# Altium PCB NG2092.PcbDoc (part 2 of 5) (continued)
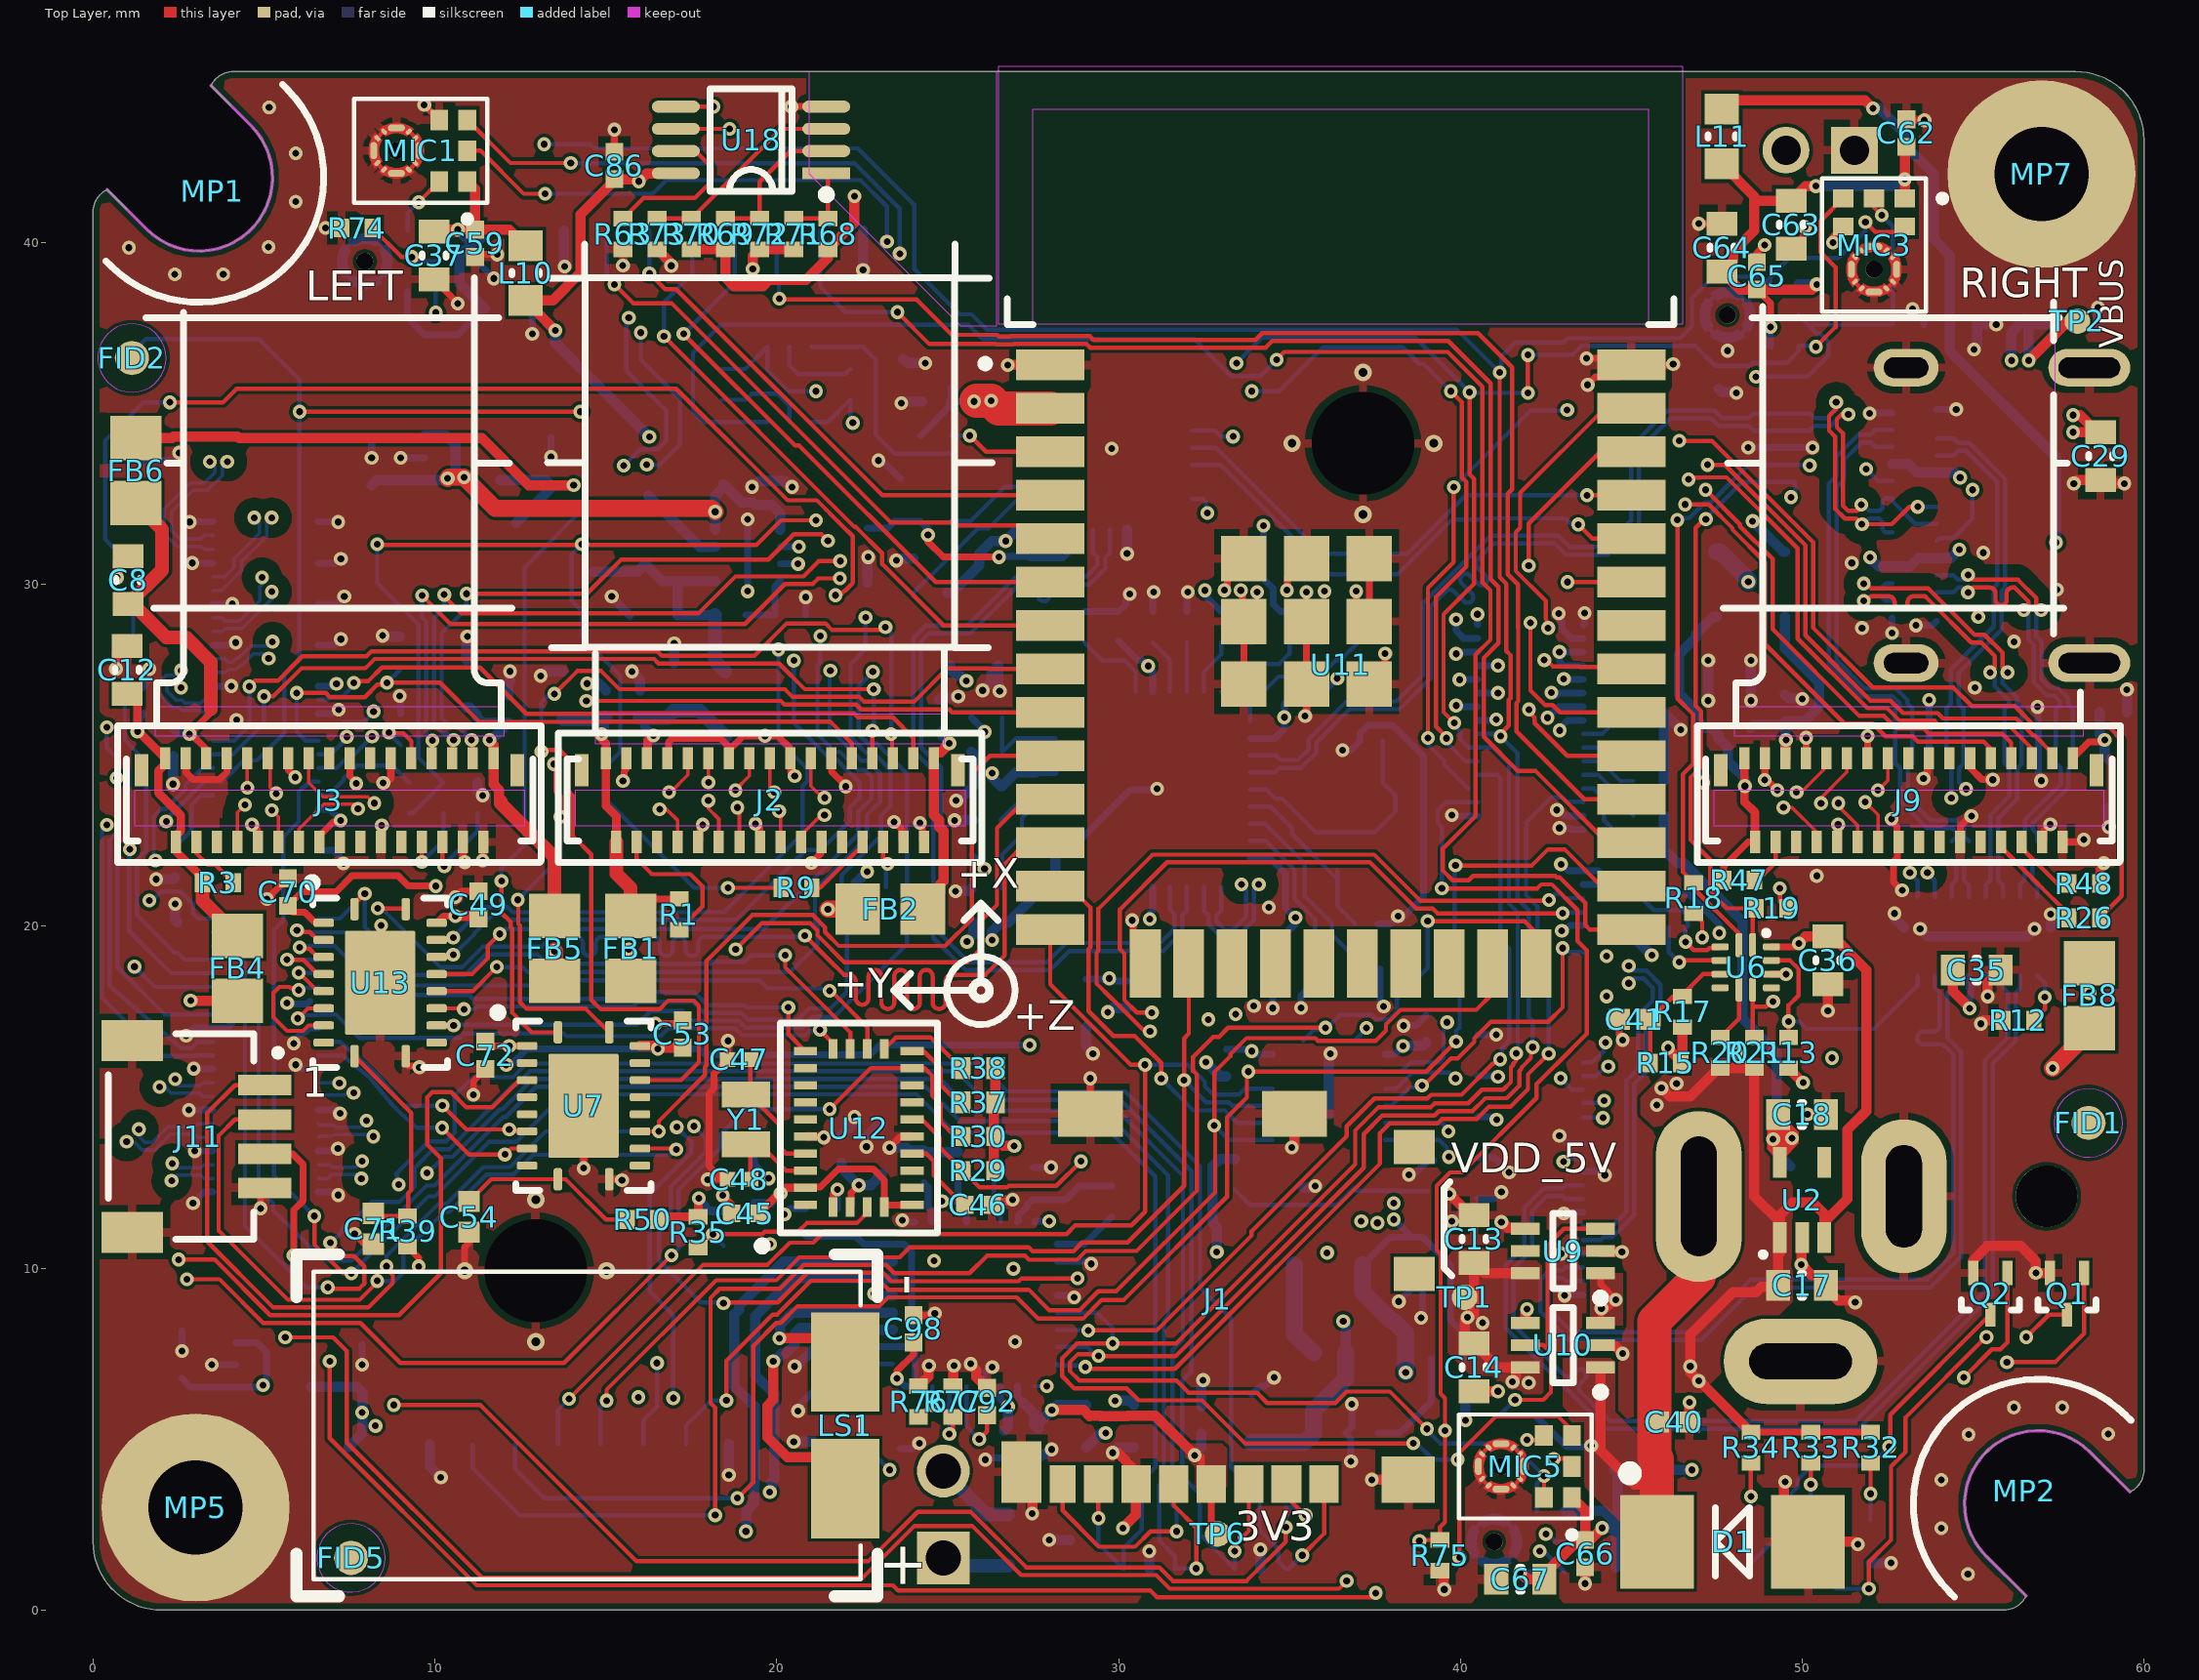
[diagram p0: Top Layer view]
## Part data (continued)
U6: library part TUSB321RWBR, "IC USB PORT CONTROL TYPE-C 12X2Q", Manufacturer 1="Texas Instruments", Max Operating Temperature=70°C, Max Supply Voltage=5.5V, Min Operating Temperature=0°C, Min Supply Voltage=4.5V, Supplier Part Number 1=296-42400-1-ND, ComponentLink1Description=http://www.ti.com/general/docs/lit/getliterature.tsp?genericPartNumber=TUSB321&&fileType=pdf&src-supplier=Avnet+Asia, ComponentLink1URL=http://www.ti.com/general/docs/lit/getliterature.tsp?genericPartNumber=TUSB321&&fileType=pdf&src-supplier=Avnet+Asia, ComponentLink2Description=http://www.ti.com/general/docs/lit/getliterature.tsp?genericPartNumber=TUSB321&&fileType=pdf&src-supplier=Farnell, ComponentLink2URL=http://www.ti.com/general/docs/lit/getliterature.tsp?genericPartNumber=TUSB321&&fileType=pdf&src-supplier=Farnell, ComponentLink3Description=http://www.ti.com/lit/ds/symlink/tusb321.pdf?src-supplier=Digi-Key, ComponentLink3URL=http://www.ti.com/lit/ds/symlink/tusb321.pdf?src-supplier=Digi-Key, ComponentLink4Description=http://www.ti.com/general/docs/lit/getliterature.tsp?genericPartNumber=TUSB321&&fileType=pdf&src-supplier=Element14, ComponentLink4URL=http://www.ti.com/general/docs/lit/getliterature.tsp?genericPartNumber=TUSB321&&fileType=pdf&src-supplier=Element14, ComponentLink5Description=http://www.ti.com/general/docs/lit/getliterature.tsp?genericPartNumber=TUSB321&&fileType=pdf&src-supplier=Avnet, ComponentLink5URL=http://www.ti.com/general/docs/lit/getliterature.tsp?genericPartNumber=TUSB321&&fileType=pdf&src-supplier=Avnet, Contact Plating=Gold, Lead Free="Lead Free", Manufacturer Part Number 1=TUSB321RWBR, Mount="Surface Mount", Number of Pins=12, Number of Ports=1, Packaging="Tape and Reel", Pricing 1="1=2.27000, 10=2.04200, 100=1.64100, 500=1.34828, 1000=1.11714 (USD)", REACH SVHC="No SVHC", RoHS=Yes, Stock 1=7746, Supplier 1=Digi-Key, USB Standard="USB 3.1"
U7 U13 U14: "IC TRNSLTR BIDIRECTIONAL 20VQFN", Case/Package=VQFN, High Level Output Current=-50mA, Low Level Output Current=50mA, Manufacturer 1="Texas Instruments", Max Operating Temperature=85°C, Max Supply Voltage=5.5V, Min Operating Temperature=-40°C, Min Supply Voltage=1.2V, Package Quantity=1, Quiescent Current=3uA, Supplier Part Number 1=296-24806-1-ND, Category="Integrated Circuits (ICs)", ComponentLink1Description=https://datasheet.ciiva.com/15096/getdatasheetpartid-189651-15096225.pdf?src-supplier=Verical, ComponentLink1URL=https://datasheet.ciiva.com/15096/getdatasheetpartid-189651-15096225.pdf?src-supplier=Verical, ComponentLink2Description=https://datasheet.ciiva.com/22659/1718976-22659572.pdf?src-supplier=Element14, ComponentLink2URL=https://datasheet.ciiva.com/22659/1718976-22659572.pdf?src-supplier=Element14, ComponentLink3Description=https://datasheet.ciiva.com/26185/txs0108e-26185177.pdf?src-supplier=Avnet+Europe, ComponentLink3URL=https://datasheet.ciiva.com/26185/txs0108e-26185177.pdf?src-supplier=Avnet+Europe, ComponentLink4Description=https://datasheet.ciiva.com/14287/txs0108e-14287692.pdf?src-supplier=Avnet, ComponentLink4URL=https://datasheet.ciiva.com/14287/txs0108e-14287692.pdf?src-supplier=Avnet, ComponentLink5Description=https://datasheet.ciiva.com/1899/txs0108e-1899610.pdf?src-supplier=Digi-Key, ComponentLink5URL=https://datasheet.ciiva.com/1899/txs0108e-1899610.pdf?src-supplier=Digi-Key, ComponentLink6Description=https://datasheet.ciiva.com/1899/txs0108e-1899611.pdf?src-supplier=Digi-Key, ComponentLink6URL=https://datasheet.ciiva.com/1899/txs0108e-1899611.pdf?src-supplier=Digi-Key, ComponentLink7Description=https://datasheet.ciiva.com/1899/txs0108e-1899612.pdf?src-supplier=Digi-Key, ComponentLink7URL=https://datasheet.ciiva.com/1899/txs0108e-1899612.pdf?src-supplier=Digi-Key, ComponentLink8Description=https://datasheet.ciiva.com/14287/txs0108e-14287533.pdf?src-supplier=Avnet, ComponentLink8URL=https://datasheet.ciiva.com/14287/txs0108e-14287533.pdf?src-supplier=Avnet, ComponentLink9Description=https://datasheet.ciiva.com/48701/001073880-da-01-en-ic-xlatr-volt-lv-txs0108ergyr-qfn-20-tid-48701964.pdf?src-supplier=Conrad, ComponentLink9URL=https://datasheet.ciiva.com/48701/001073880-da-01-en-ic-xlatr-volt-lv-txs0108ergyr-qfn-20-tid-48701964.pdf?src-supplier=Conrad, Data Rate=60Mbps, Lead Free="Lead Free", Logic Function=Translator, Manufacturer Part Number 1=TXS0108ERGYR, Mount="Surface Mount", Number of Bits=8, Number of Channels=8, Number of Inputs=8, Number of Pins=20, Output Type=Voltage, Packaging="Tape and Reel", Pricing 1="1=1.42000, 10=1.26600, 25=1.20120, 100=0.98670, 250=0.92236, 500=0.81510, 1000=0.64350 (USD)", Propagation Delay=4.8ns, Radiation Hardening=No, REACH SVHC="No SVHC", RoHS=Yes, Stock 1=122729, Supplier 1=Digi-Key, Supplier 2=Digi-Key, Supplier 3=Arrow, Supplier 4="TI store", Supplier 5=Mouser, Supplier Part Number 2=296-24806-2-ND, Supplier Part Number 3=TXS0108ERGYR, Supplier Part Number 4=TXS0108ERGYR, Supplier Part Number 5=595-TXS0108ERGYR, Turn-On Delay Time=312ns, Weight=0.001517oz
U8: "IC REG LINEAR 1.2V 200MA SC70-5", Case/Package=SC, Dropout Voltage=175mV, Manufacturer 1="Texas Instruments", Manufacturer Part Number 1=TLV70012DCKR, Manufacturer Part Number 2=TLV70012DCKT, Max Input Voltage=5.5V, Max Operating Temperature=125°C, Max Output Current=200mA, Max Output Voltage=1.2V, Max Power Dissipation=320mW, Min Current Limit=220mA, Min Input Voltage=2V, Min Operating Temperature=-40°C, Output Voltage Accuracy=2%, Package Quantity=1, Quiescent Current=30uA, Supplier Part Number 1=296-27438-1-ND, Accuracy=2%, ComponentLink1Description=https://datasheet.ciiva.com/26909/tlv70012dckr-26909420.pdf?src-supplier=IIIC, ComponentLink1URL=https://datasheet.ciiva.com/26909/tlv70012dckr-26909420.pdf?src-supplier=IIIC, ComponentLink2Description=https://datasheet.ciiva.com/46448/1836520-46448747.pdf?src-supplier=Element14, ComponentLink2URL=https://datasheet.ciiva.com/46448/1836520-46448747.pdf?src-supplier=Element14, ComponentLink3Description=http://components.arrow.com/part/dataview/48874348S9524109N7713?src-supplier=Arrow, ComponentLink3URL=http://components.arrow.com/part/dataview/48874348S9524109N7713?src-supplier=Arrow, ComponentLink4Description=http://components.arrow.com/part/dataview/0323_02210905?src-supplier=Arrow+Europe, ComponentLink4URL=http://components.arrow.com/part/dataview/0323_02210905?src-supplier=Arrow+Europe, ComponentLink5Description=http://www.ti.com/general/docs/lit/getliterature.tsp?genericPartNumber=TLV700&&fileType=pdf&src-supplier=Avnet, ComponentLink5URL=http://www.ti.com/general/docs/lit/getliterature.tsp?genericPartNumber=TLV700&&fileType=pdf&src-supplier=Avnet, ComponentLink6Description=http://focus.ti.com/lit/ds/symlink/tlv70033.pdf?src-supplier=Avnet, ComponentLink6URL=http://focus.ti.com/lit/ds/symlink/tlv70033.pdf?src-supplier=Avnet, ComponentLink7Description=http://www.ti.com/lit/ds/slvsa00e/slvsa00e.pdf?src-supplier=Digi-Key, ComponentLink7URL=http://www.ti.com/lit/ds/slvsa00e/slvsa00e.pdf?src-supplier=Digi-Key, ComponentLink8Description=http://www.ti.com/litv/slvsa00d?src-supplier=Mouser, ComponentLink8URL=http://www.ti.com/litv/slvsa00d?src-supplier=Mouser, Contact Plating=Gold, Lead Free="Lead Free", Manufacturer 2="Texas Instruments", Min Output Voltage=1.2V, Nominal Output Voltage=1.2V, Number of Outputs=1, Number of Pins=5, Number of Regulators=1, Output Current=200mA, Output Type=Fixed, Output Voltage=1.2V, Packaging="Tape and Reel", Polarity=Positive, Power Dissipation=320mW, Pricing 1="1=0.48000, 10=0.40900, 100=0.30570, 500=0.24020, 1000=0.18561 (USD)", Pricing 2="1=0.43000, 10=0.38000, 25=0.35000, 100=0.30000, 250=0.27000, 500=0.21000, 750=0.16000, 1000=0.14000 (USD)", Radiation Hardening=No, REACH SVHC="No SVHC", RoHS=Yes, Stock 1=8389, Stock 2=250, Supplier 1=Digi-Key, Supplier 2="TI store", Supplier Part Number 2=TLV70012DCKT
U9 U10: library part LM66100DCKR, "IC OR CTRLR IDEAL DIODE SC70-6", Manufacturer 1="Texas Instruments", Supplier Part Number 1=296-53541-1-ND, Category="Integrated Circuits (ICs)", Manufacturer Part Number 1=LM66100DCKR, Pricing 1="1=0.41000, 10=0.32900, 25=0.30120, 100=0.20300, 250=0.16800, 500=0.15400, 1000=0.11550 (USD)", RoHS=No, Stock 1=8042, Supplier 1=Digi-Key, Supplier 2=Digi-Key, Supplier 3=Mouser, Supplier 4=Arrow, Supplier Part Number 2=296-53541-2-ND, Supplier Part Number 3=595-LM66100DCKR, Supplier Part Number 4=LM66100DCKR
U11: library part ESP32-WROOM-32D, "ESP32-WROOM-32D MODULE: Wi-Fi/BT BLE, ESP32-D0WD, SPI Flash, UART, P", Case/Package=SMD/SMT, Frequency=2.5GHz, Manufacturer 1="Espressif Systems", Max Operating Temperature=85°C, Min Operating Temperature=-40°C, Supplier Part Number 1=1904-1023-1-ND, Category="RF Receivers, Transceivers", ComponentLink1Description=https://www.espressif.com/sites/default/files/documentation/esp32-wroom-32d_esp32-wroom-32u_datasheet_en.pdf?src-supplier=Digi-Key, ComponentLink1URL=https://www.espressif.com/sites/default/files/documentation/esp32-wroom-32d_esp32-wroom-32u_datasheet_en.pdf?src-supplier=Digi-Key, Data Rate=150Mbps, Interface=I2C,SPI,GPIO,PWM,SDIO,UART, Manufacturer Part Number 1=ESP32-WROOM-32D, Memory Size=536KB, Mount="Surface Mount", Packaging="Cut Tape", Pricing 1="1=3.80000 (USD)", RoHS=Yes, Sensitivity=-98dBm, Stock 1=2394, Supplier 1=Digi-Key, Supplier 2=Mouser, Supplier 3=Arrow, Supplier Part Number 2=356-ESP32WROOM-32D, Supplier Part Number 3=ESP32-WROOM-32D
U12: "IMU ACCEL/GYRO/MAG I2C 32BIT", Case/Package=LGA, Manufacturer 1="Hillcrest Laboratories", Max Operating Temperature=85°C, Min Operating Temperature=-40°C, Supplier Part Number 1=1888-1006-1-ND, Category="Inertial Measurement Units (IMUs)", ComponentLink1Description=https://www.hillcrestlabs.com/downloads/bno080-datasheet?src-supplier=Digi-Key, ComponentLink1URL=https://www.hillcrestlabs.com/downloads/bno080-datasheet?src-supplier=Digi-Key, ComponentLink2Description=https://www.hillcrestlabs.com/downloads/bno080-migration-guide?src-supplier=Digi-Key, ComponentLink2URL=https://www.hillcrestlabs.com/downloads/bno080-migration-guide?src-supplier=Digi-Key, Manufacturer Part Number 1=BNO085, Mount="Surface Mount", Output Type=SPI,I2C, Packaging="Tape and Reel", Pricing 1="1=11.85000, 5=10.31200, 10=9.28100, 25=8.25000, 50=7.63120, 100=6.60000, 500=6.18750, 1000=5.77500 (USD)", RoHS=No, Sensor Type=Accelerometer,Gyroscope,Magnetometer, Stock 1=11593, Supplier 1=Digi-Key
U15: "IC USB TO UART BRIDGE QFN28", Manufacturer 1="Silicon Labs", Supplier Part Number 1=336-5890-1-ND, Manufacturer Part Number 1=CP2102N-A02-GQFN28R, Pricing 1="1=1.40000, 25=1.35160, 100=1.29950 (USD)", RoHS=Yes, Stock 1=3731, Supplier 1=Digi-Key, Supplier 2=Digi-Key, Supplier 3=Mouser, Supplier 4=Verical, Supplier Part Number 2=336-5890-2-ND, Supplier Part Number 3=634-CP2102NA02QFN28R, Supplier Part Number 4=CP2102N-A02-GQFN28R
U16: "IC USB 2.0 2PORT HUB CTLR 36QFN", Manufacturer 1=Microchip, Supplier Part Number 1=8251127, Category="USB Interface ICs", ComponentLink1Description=https://datasheet.ciiva.com/16366/usb2512bi-aezg-16366528.pdf?src-supplier=Future+Electronics, ComponentLink1URL=https://datasheet.ciiva.com/16366/usb2512bi-aezg-16366528.pdf?src-supplier=Future+Electronics, ComponentLink2Description=https://datasheet.ciiva.com/23943/1754405-23943458.pdf?src-supplier=Newark, ComponentLink2URL=https://datasheet.ciiva.com/23943/1754405-23943458.pdf?src-supplier=Newark, ComponentLink3Description=https://datasheet.ciiva.com/14820/251xb1-14820225.pdf?src-supplier=Arrow+Electronics, ComponentLink3URL=https://datasheet.ciiva.com/14820/251xb1-14820225.pdf?src-supplier=Arrow+Electronics, ComponentLink4Description=https://datasheet.ciiva.com/26344/651861-da-01-en-usb-ctlr-usb2512bi-aezg-qfn-36-6x6-mcp-26344422.pdf?src-supplier=Conrad, ComponentLink4URL=https://datasheet.ciiva.com/26344/651861-da-01-en-usb-ctlr-usb2512bi-aezg-qfn-36-6x6-mcp-26344422.pdf?src-supplier=Conrad, Manufacturer Part Number 1=USB2512BI-AEZG, Pricing 1="5=2,82800, 25=2,74400, 100=2,64300 (USD)", RoHS=Yes, Stock 1=1, Supplier 1=RSComponents
U17: "I2S Input, 2.5W/Channel, Low EMI, Stereo, Class D Audio Sub-System with Ground Referenced Headphone Amplifier, 3D Enhancement, and Headphone Sense, 32-pin LLP, Pb-Free", Manufacturer 1="Texas Instruments", PackageTopMarking=NS*UZXYTT*L49450, PowerWise=N, Supplier Part Number 1=LM49450SQ/NOPBCT-ND, ComponentLink1Description="Datasheet URL", ComponentLink1URL=http://www.ti.com/general/docs/lit/getliterature.tsp?genericPartNumber=LM49450&fileType=pdf, CompType="Audio IC", Manufacturer Part Number 1=LM49450SQ/NOPB, PackageDescription="LLP, Quad, 5 x 5 x 0.8mm, 32 Lead, 0.5mm Pitch, No Pullback 3.1 x 3.1 Exposed Pad", PackageReference=RTV0032A, PinCount=32, RoHS=Y, Supplier 1=Digi-Key
U18: library part 24AA32A-I/MS, "IC EEPROM 32K I2C 400KHZ 8MSOP Memory IC 32Kb (4K x 8) I²C 400kHz 900ns 8-MSOP", Case/Package=MSOP, Frequency=400kHz, Manufacturer 1=Microchip, Max Operating Temperature=85°C, Max Supply Voltage=5.5V, Min Operating Temperature=-40°C, Min Supply Voltage=1.7V, Nominal Supply Current=3mA, Package Quantity=100, Supplier Part Number 1=24AA32A-I/MS-ND, Access Time=3500ns, ComponentLink1Description=https://datasheet.ciiva.com/16309/filehandler-aspxddocname-en011853-16309808.pdf?src-supplier=Future+Electronics, ComponentLink1URL=https://datasheet.ciiva.com/16309/filehandler-aspxddocname-en011853-16309808.pdf?src-supplier=Future+Electronics, ComponentLink2Description=https://datasheet.ciiva.com/16621/21713l-16621382.pdf?src-supplier=Avnet+Europe, ComponentLink2URL=https://datasheet.ciiva.com/16621/21713l-16621382.pdf?src-supplier=Avnet+Europe, ComponentLink3Description=https://datasheet.ciiva.com/3185/21713l-3185209.pdf?src-supplier=Avnet, ComponentLink3URL=https://datasheet.ciiva.com/3185/21713l-3185209.pdf?src-supplier=Avnet, ComponentLink4Description=https://datasheet.ciiva.com/1154/1688094-1154810.pdf?src-supplier=Element14, ComponentLink4URL=https://datasheet.ciiva.com/1154/1688094-1154810.pdf?src-supplier=Element14, ComponentLink5Description=https://datasheet.ciiva.com/41454/001085239-da-01-en-ic-eeprom-32kbit-24aa32a-i-ms-msop-8-mcp-41454934.pdf?src-supplier=Conrad, ComponentLink5URL=https://datasheet.ciiva.com/41454/001085239-da-01-en-ic-eeprom-32kbit-24aa32a-i-ms-msop-8-mcp-41454934.pdf?src-supplier=Conrad, Contact Plating=Tin,Matte, Density=32Kb, Height=0.85mm, Interface=I2C,Serial,2-Wire, Lead Free="Lead Free", Length=3mm, Manufacturer Part Number 1=24AA32A-I/MS, Max Frequency=400kHz, Memory Size=32Kb, Memory Type=EEPROM, Mount="Surface Mount", Number of Pins=8, Packaging=Rail/Tube, Pricing 1="1=0.39000, 25=0.38120, 100=0.36050 (USD)", Radiation Hardening=No, REACH SVHC="No SVHC", RoHS=Yes, Stock 1=4213, Supplier 1=Digi-Key, Supplier 2=Mouser, Supplier 3=Newark, Supplier Part Number 2=579-24AA32A-I/MS, Supplier Part Number 3=38AH9658, Width=3mm
X1: library part ABM8G-24.000MHZ-4Y-T3, "CRYSTAL 24.0000MHZ 10PF SMD", Manufacturer 1=Abracon, Supplier Part Number 1=535-10913-1-ND, Category=Crystals, ComponentLink1Description=https://datasheet.ciiva.com/854/abm8g-854913.pdf?src-supplier=Digi-Key, ComponentLink1URL=https://datasheet.ciiva.com/854/abm8g-854913.pdf?src-supplier=Digi-Key, ComponentLink2Description=https://datasheet.ciiva.com/854/abm8g-854911.pdf?src-supplier=Digi-Key, ComponentLink2URL=https://datasheet.ciiva.com/854/abm8g-854911.pdf?src-supplier=Digi-Key, ComponentLink3Description=https://datasheet.ciiva.com/854/abm8g-854912.pdf?src-supplier=Digi-Key, ComponentLink3URL=https://datasheet.ciiva.com/854/abm8g-854912.pdf?src-supplier=Digi-Key, Manufacturer Part Number 1=ABM8G-24.000MHZ-4Y-T3, Pricing 1="1=0,67000, 10=0,59600, 50=0,55720, 100=0,49250, 500=0,46656, 1000=0,38880 (USD)", RoHS=Yes, Stock 1=4722, Supplier 1=Digi-Key
Y1: "CRYSTAL 32.768kHz ±20ppm Crystal 12.5pF 90 kOhms 2-SMD, No Lead", Case/Package=SMD/SMT, ESR (Equivalent Series Resistance)=90kR, Frequency=32.768kHz, Frequency Tolerance=20ppm, Load Capacitance=12.5pF, Manufacturer 1=Abracon, Max Operating Temperature=85°C, Min Operating Temperature=-40°C, Supplier Part Number 1=535-14513-1-ND, ComponentLink1Description=http://www.farnell.com/datasheets/2614114.pdf?src-supplier=Farnell, ComponentLink1URL=http://www.farnell.com/datasheets/2614114.pdf?src-supplier=Farnell, ComponentLink2Description=https://abracon.com/datasheets/ABS06-127-32.768kHz-T.pdf?src-supplier=Digi-Key, ComponentLink2URL=https://abracon.com/datasheets/ABS06-127-32.768kHz-T.pdf?src-supplier=Digi-Key, ComponentLink3Description=http://www.farnell.com/datasheets/2614114.pdf?src-supplier=Newark, ComponentLink3URL=http://www.farnell.com/datasheets/2614114.pdf?src-supplier=Newark, Manufacturer Part Number 1=ABS06-127-32.768KHZ-T, Mount="Surface Mount", Packaging="Tape and Reel", Pricing 1="1=0.69000, 10=0.60700, 50=0.56760, 100=0.50160, 500=0.47520, 1000=0.39600 (USD)", RoHS=Yes, Stock 1=1640, Supplier 1=Digi-Key, Supplier 2=Digi-Key, Supplier 3=Mouser, Supplier 4=Verical, Supplier Part Number 2=535-14513-6-ND, Supplier Part Number 3=815-ABS0612732.768KT, Supplier Part Number 4=ABS06-127-32.768KHZ-T

## Via types
v1: diameter 0.406, hole 0.203, Top Layer to Bottom Layer, tented both sides, 734 vias
v2: diameter 0.508, hole 0.254, Top Layer to Bottom Layer, 8 vias

## Nets (pads, with @x,y where several pads share a name; then routed paths per layer and width w, separated by ;. In a path a pad name is that pad's centre, name@x,y a point inside that pad or via, vN(x,y) a via of type N, cw(c..) or ccw(c..) an arc to the next point about the centre after c; other vN are vias at no path point)
1V2: C39.2 FB6.1 FB9.1 TP3.1 U8.5 | length 57.1
  Top Layer w0.3: FB6.1@1.25,34.275 2.309,34.275 2.359,34.325 4.23,34.325 4.28,34.275 11.375,34.275 12.75,32.9 v1(14.059,32.9)
  Inner Layer 1 w0.3: v1(14.059,32.9) 14.059,33.434 16.925,36.3 23.114,36.3 23.45,35.964 26.945,35.964 26.995,36.014 30.086,36.014 32.6,33.5 33.7,33.5 36,31.2 47.116,31.2 47.378,31.462 48.162,31.462 v1(48.55,31.85)
  Bottom Layer w0.3: U8.5@11.9,33.05 13.25,33.05 C39.2@13.4,32.9 ; TP3.1@12.375,31.8 13.4,32.825 C39.2@13.4,32.9 ; v1(14.059,32.9) C39.2@13.4,32.9 ; v1(48.55,31.85) 49.45,30.95 FB9.1@49.5,30.95
1V2_L: C7.2 C8.2 FB6.2 J3.29 | length 10.6
  Top Layer w0.2: v1(2.823,25.62) v1@2.845,25.643 ; J3.29@3.312,24.916 3.312,25.176 v1@2.845,25.643 ; 3.45,26.35 3.45,26.247 v1@2.845,25.643
  Top Layer w0.4: FB6.2@1.25,32.375 2.025,31.6 2.025,30.425 C8.2@1.025,29.425 1.175,29.425 2.15,28.45 2.725,28.45 3.45,27.725 3.45,26.35
  Bottom Layer w0.25: C7.2@2.35,25.775 2.475,25.65 2.793,25.65 v1(2.823,25.62)
1V2_R: C23.2 C24.2 FB9.2 J9.29 | length 6.4
  Top Layer w0.3: J9.29@49.512,24.916 49.512,25.437 v1(49.525,25.45)
  Bottom Layer w0.3: C24.2@48.5,25.8 48.587,25.887 49.412,25.887 C23.2@49.5,25.975 ; FB9.2@49.5,29.05 49.5,28.125 50.5,27.125 50.5,26.426 50.077,26.003 49.528,26.003 C23.2@49.5,25.975 ; v1(49.525,25.45) 49.512,25.462 49.512,25.962 C23.2@49.5,25.975
1V05: C22.2 FB3.1 L1.2 R7.2 TP7.1 U4.5 | length 7.7
  Bottom Layer w0.3: TP7.1@14.65,30.375 15.925,30.375 L1.2@16.15,30.6 16.65,30.1 U4.5@18.2,30.1 ; 17.1,30.1 C22.2@17.1,29.1 R7.2@18.2,29.1
  Bottom Layer w0.4: R7.2@18.2,29.1 18.2,27.75 FB3.1@18.5,27.45
1V05_IMX378: C1.2 C2.2 FB3.2 J2.29 | length 4.3
  Top Layer w0.25: J2.29@16.2,24.916 16.225,24.941 16.225,25.434 16.366,25.575 v1(16.398,25.575)
  Bottom Layer w0.25: C1.2@16,26.1 16.135,25.965 16.135,25.835 16.395,25.575 v1(16.398,25.575)
  Bottom Layer w0.4: C1.2@16,26.1 16.8,26.1 C2.2@17,26.3 17.75,26.3 FB3.2@18.5,25.55
1V8: C18.2 C43.2 C45.2 C51.2 C70.2 C72.2 C86.2 C94.2 C95.2 C102.2 FB2.1 FB5.1 FB8.1 L10.1 L11.1 L12.1 R22.2 R23.2 R29.2 R30.2 R35.2 R37.1 R38.1 R39.2 R40.2 R50.1 R68.2 R69.2 R70.2 TP4.1 U2.5 U7.2 U12.5 U12.6 U12.28 U13.2 U14.2 U17.11 U17.28 U17.32 U18.8 | length 236.3
  Top Layer w0.2: C70.2@5.7,20.55 5.843,20.407 6.193,20.407 6.48,20.12 6.73,20.12 U13.2@6.75,20.1 ; C70.2@5.7,20.6 6.04,20.94 6.043,20.94 6.115,21.012 7.113,21.012 7.575,21.475 8.925,21.475 9.225,21.175 v1(10.025,21.175) ; R39.2@9.2,10.625 9.525,10.3 v1(9.525,10.05) ; C72.2@11.475,16.625 11.6,16.5 v1(12.175,16.5) U7.2@12.7,16.5 ; U12.28@20.837,12.35 20.862,12.375 21.28,12.375 21.805,12.9 22.825,12.9 23.15,12.575 U12.5@23.15,11.788 23.212,11.85 U12.6@23.962,11.85
  Top Layer w0.25: R50.1@16.525,11.425 16.6,11.5 R35.2@17.7,11.5 17.711,11.511 17.711,12.036 v1(17.721,12.047) ; C45.2@19.475,11.6 20.063,12.188 v1(20.113,12.188) 20.275,12.35 U12.28@20.837,12.35
  Top Layer w0.3: L10.1@12.65,38.3 L10.1@12.7,38.3 ; v1(13.525,37.425) 13,37.95 13,38 L10.1@12.7,38.3 ; C86.2@15.25,41.8 14.265,40.815 14.265,39.125 13.441,38.3 L10.1@12.7,38.3 ; C86.2@15.25,41.85 15.908,41.85 v1(15.967,41.791) 16.202,42.025 U18.8@17.05,42.025 ; R70.2@17.5,39.8 R69.2@18.5,39.8 18.5,38.975 18.75,38.725 19.6,38.725 19.775,38.9 20.85,38.9 21.5,39.55 R68.2@21.5,39.75 ; R68.2@21.5,39.8 22.275,40.575 v1(22.275,41.353) ; R29.2@26.35,12.85 R30.2@26.35,13.85 ; R38.1@26.4,15.85 R37.1@26.4,14.85 26.35,14.8 R30.2@26.35,13.85 ; v1(26.95,13.575) 26.625,13.575 R30.2@26.35,13.85 ; L11.1@47.65,43.9 47.913,44.163 51.837,44.163 v1(52.075,43.925) ; C18.2@49.25,14.45 49.15,14.35 v1(49.15,13.775) 49.35,13.575 U2.5@49.35,13.45 ; U2.5@49.35,13.1 U2.5@49.35,13.45 ; v1(49.7,13.8) U2.5@49.35,13.45
  Top Layer w0.5: FB5.1@13.5,18.4 v1(13.5,19.275) ; v1(21.5,20.5) FB2.1@22.375,20.5 ; v1(57.325,15.85) 58.4,16.925 FB8.1@58.4,17.025
  Inner Layer 1 w0.2: v1(9.525,10.05) 9.525,11.35 10.75,12.575 10.75,13.862 12.491,15.604 12.491,16.184 v1(12.175,16.5) 12.175,17.775 13.5,19.1 v1(13.5,19.275) 12.975,19.8 12.649,19.8 11.196,21.253 10.433,21.253 10.355,21.175 v1(10.025,21.175) ; 24.775,10.875 24.837,10.937 v1(24.837,11.958) ; 27.825,10.875 27.85,10.9 ; 45.725,9.325 45.725,5.55 46.775,4.5 v1(46.775,4.1)
  Inner Layer 1 w0.3: v1(15.967,41.791) 21.838,41.791 v1(22.275,41.353) ; v1(16.275,34.316) 17.375,33.216 17.375,29.45 22.475,24.35 22.475,22.475 21.5,21.5 v1(21.5,20.5) 21.5,19.275 20.8,18.575 20.8,12.253 ; v1(20.113,12.188) 20.734,12.188 20.8,12.253 ; v1(26.95,13.575) 26.95,12.903 27.387,12.466 27.387,10.875 ; 27.85,10.9 27.85,11.25 v1(27.975,11.375) ; v1@32.875,10.425 30.3,10.425 29.85,10.875 27.825,10.875 27.387,10.875 ; v1@32.9,10.45 v1@36.075,10.45 ; v1@36.125,10.45 39.811,10.45 40.239,10.878 43.681,10.878 45.234,9.325 45.725,9.325 48.15,9.325 49.3,10.475 49.3,13.625 v1(49.15,13.775) ; 20.8,12.253 21.9,11.153 22.892,11.153 23.17,10.875 24.775,10.875 27.387,10.875
  Inner Layer 1 w0.5: v1(49.7,13.8) 49.725,13.775 51.05,13.775 52.15,14.875 56.35,14.875 v1(57.325,15.85)
  Inner Layer 2 w0.2: v1(36.1,10.45) 38.375,10.45 38.775,10.85 38.775,11.8 38.089,12.486 38.089,14.388 38.325,14.624 v1(38.325,16.5)
  Inner Layer 2 w0.3: v1(26.763,5.95) 27.488,5.225 29.575,5.225 v1(29.625,5.175) ; v1@29.625,5.225 30,5.225 31.175,6.4 31.175,8.775 v1(32.875,10.475) ; v1(57.325,15.85) 59.1,17.625 59.1,21.175 59.45,21.525 59.45,25.85 58.825,26.475 57.525,26.475 56.9,27.1 56.9,28.025 58.125,29.25 58.125,30.525 v1(57.425,31.225)
  Inner Layer 2 w0.5: v1(13.5,19.275) 14.921,19.275 15.481,18.715 18.973,18.715 20.757,20.5 v1(21.5,20.5)
  Bottom Layer w0.2: v1(24.837,11.958) 25.467,11.958 ; C102.2@25.3,12.5 25.3,12.125 25.467,11.958 ; U17.28@25.55,11.35 25.55,11.875 25.467,11.958 ; U17.11@26.55,6.55 26.55,6.163 v1@26.762,5.95 ; U17.32@27.55,11.35 27.575,11.375 v1(27.975,11.375) ; U14.2@37.8,16.25 38.083,16.25 38.325,16.492 v1(38.325,16.5)
  Bottom Layer w0.25: v1(17.721,12.047) 17.721,12.005 17.797,11.929 17.797,11.923 18.044,11.675 19.125,11.675 C43.2@19.35,11.9 19.825,11.9 v1(20.113,12.188)
  Bottom Layer w0.3: v1(13.525,37.425) 13.525,37.066 v1(16.275,34.316) ; C95.2@26.65,5.25 26.763,5.363 v1@26.763,5.953 ; C94.2@29.05,4.75 29.475,5.175 v1(29.625,5.175) ; v1(32.875,10.475) 32.875,11.2 32.75,11.325 32.75,12.975 32.975,13.2 R40.2@33.4,13.2 ; v1(38.325,16.5) 38.9,16.5 C51.2@39,16.6 ; L12.1@45.95,4.1 v1(46.775,4.1) ; R23.2@45.95,23.25 R22.2@45.95,22.25 46.35,21.85 46.545,21.85 48.25,20.145 48.25,17.3 49.25,16.3 49.25,13.875 v1(49.15,13.775) 49.15,13.475 TP4.1@49.65,12.975 ; v1(52.075,43.925) 52.25,43.925 52.975,43.2 52.975,42.875 53.85,42 53.85,40.1 54.325,39.625 54.325,36.825 57.425,33.725 v1(57.425,31.225)
1V8_IMX378: C3.2 C4.2 FB2.2 J2.1 | length 9.3
  Top Layer w0.3: FB2.2@24.275,20.5 24.775,21 24.775,21.213 24.875,21.313 24.875,22.784 24.747,22.912 24.747,23.107 24.6,23.254 J2.1@24.6,24.916 24.6,25.091 24.791,25.091 v1(25.05,25.35)
  Inner Layer 2 w0.3: v1(25.05,25.35) 24.725,25.675 24.725,26.825 25.075,27.175 v1(25.55,27.175)
  Bottom Layer w0.3: C3.2@24.86,25.715 24.86,25.569 25.05,25.379 v1(25.05,25.35) ; C4.2@25.075,27.625 25.075,27.525 25.275,27.325 25.371,27.325 25.521,27.175 v1(25.55,27.175)
1V8_L: C9.2 C10.2 FB5.2 J3.1 | length 8.2
  Top Layer w0.3: v1(11.595,25.45) 11.595,25.421 11.712,25.304 J3.1@11.712,24.916 11.712,24.154 11.878,23.988 11.878,23.647 11.928,23.597
  Top Layer w0.4: 11.928,23.647 11.928,23.597 13.5,22.025 FB5.2@13.5,20.3
  Bottom Layer w0.3: C10.2@10.925,26.4 11.025,26.4 11.225,26.2 11.225,26.126 11.401,25.95 C9.2@12.15,25.95 11.67,25.47 11.616,25.47 v1(11.595,25.45)
1V8_MIC_1: C37.2 C59.2 C60.2 C61.2 L10.2 MIC1.5 MIC2.2 MIC2.5 | length 12.7
  Top Layer w0.3: v1(10.675,40.375) 10.625,40.325 C37.2@9.975,40.325 10.025,40.375 C59.2@11.175,40.375 ; MIC1.5@10.949,41.787 11.175,41.561 C59.2@11.175,40.375 ; L10.2@12.65,39.9 12.175,40.375 C59.2@11.175,40.375
  Bottom Layer w0.2: MIC2.2@9.203,38.55 9.203,37.797 9.7,37.3 10.675,37.3 C60.2@11.45,38.075
  Bottom Layer w0.3: MIC2.5@10.025,40.35 10.05,40.375 v1(10.675,40.375) 10.925,40.125 C61.2@11.25,40.125 ; C61.2@11.35,40.125 C61.2@11.25,40.125 ; C60.2@11.45,38.075 10.725,38.8 10.725,39.6 C61.2@11.25,40.125
1V8_MIC_2: C62.2 C63.2 C64.2 C65.2 L11.2 MIC3.5 MIC4.2 MIC4.5 | length 15.6
  Top Layer w0.2: L11.2@47.65,42.3 L11.2@47.7,42.3 ; C65.2@48.675,38.625 49.075,38.225 v1(49.075,37.525)
  Top Layer w0.3: L11.2@47.65,42.3 48.6,41.35 48.6,41.225 ; v1(50.4,41.65) 50.1,41.65 C63.2@49.675,41.225 48.6,41.225 ; v1(50.425,38.775) 50.275,38.625 C65.2@48.675,38.625 48.175,38.625 C64.2@47.65,39.15 47.977,39.477 47.977,39.723 48.6,40.346 48.6,41.225 ; MIC3.5@53,41.289 v1(53,41.85) 53,42.75 C62.2@53.05,42.8
  Bottom Layer w0.2: MIC4.2@49.067,36.975 49.067,37.517 v1(49.075,37.525)
  Bottom Layer w0.3: MIC4.5@49.889,38.775 v1(50.425,38.775) ; v1(50.4,41.65) 52.8,41.65 v1(53,41.85)
1V8_MIC_3: C66.2 C67.2 C68.2 C69.2 L12.2 MIC5.5 MIC6.2 MIC6.5 | length 10.3
  Top Layer w0.3: v1(41.75,1.1) 41.95,0.9 C67.2@42.45,0.9 42.45,1.05 43.45,2.05 C66.2@43.65,2.05 ; MIC5.5@43.264,3.3 43.65,2.914 C66.2@43.65,2.05 ; v1(44.15,2.4) 43.8,2.05 C66.2@43.65,2.05
  Bottom Layer w0.2: v1(41.75,1.1) MIC6.2@42.242,1.1 MIC6.2@42.242,0.883
  Bottom Layer w0.3: MIC6.5@43.064,2.9 44.2,2.9 C69.2@44.6,2.5 ; v1(44.15,2.4) 44.5,2.4 C69.2@44.55,2.45 ; L12.2@44.5,4.1 44.6,4 C69.2@44.6,2.5 ; C68.2@44.55,1.25 C69.2@44.55,2.45 ; C69.2@44.55,2.45 C69.2@44.6,2.5
1V8_R: C25.2 C26.2 FB8.2 J9.1 | length 11.6
  Top Layer w0.2: J9.1@57.912,24.916 58.383,25.386 58.786,25.386 v1(58.849,25.449) ; v1(58.4,18.05) FB8.2@58.4,18.925
  Inner Layer 2 w0.3: v1(58.4,18.05) 58.4,20.45 57.75,21.1 57.75,24.35 v1(58.849,25.449)
  Bottom Layer w0.3: C25.2@58.7,26.25 58.7,25.597 v1(58.849,25.449) 58.849,25.002 C26.2@58.975,24.875
2V8: C20.2 FB1.1 FB4.1 FB7.1 TP5.1 U3.5 | length 110
  Top Layer w0.2: v1(15.675,19.325) 15.725,19.275 FB1.1@15.725,18.4
  Top Layer w0.3: v1(2.857,17.825) FB4.1@4.225,17.825 FB4.1@4.25,17.8 ; v1(15.675,19.325) 15.675,18.45 FB1.1@15.725,18.4
  Inner Layer 1 w0.3: v1(2.857,17.825) 4.05,16.632 4.05,8.725 7,5.775 v1(7.875,5.775) ; v1(15.675,19.325) 14.925,18.575 14.925,11.775 15.95,10.75 v1(15.95,6.225)
  Inner Layer 1 w0.5: v1(48.425,30.075) 47.9,29.55 47.9,25.85 47.675,25.625 47.675,22.875 48.15,22.4 48.15,19.15 48.525,18.775 48.525,16.9 49.275,16.15 v1(50.875,16.15)
  Inner Layer 2 w0.3: 15.025,5 15.938,5.913 15.938,6.213 v1(15.95,6.225)
  Inner Layer 2 w0.5: v1(7.875,5.775) v1(8.262,5.387) 8.65,5 14.975,5 ; 15.025,5 14.975,5 ; v1(50.875,16.15) 50.875,9.825 50.25,9.2 47.6,9.2 46.475,8.075 43.847,8.075 43.572,7.8 34.395,7.8 31.573,4.977 31.573,4.473 30.85,3.75 26.95,3.75 26,2.8 22.75,2.8 21.55,1.6 17.3,1.6 14.975,3.925 14.975,5
  Bottom Layer w0.3: U3.5@6.375,6.525 7.725,6.525 C20.2@7.875,6.375 v1(7.875,5.775) 7.875,5.175 TP5.1@7.475,4.775
  Bottom Layer w0.5: FB7.1@47.5,30.95 47.6,30.95 48.425,30.125 v1(48.425,30.075)
2V8_IMX378: C5.2 C6.2 FB1.2 J2.32 J2.33 R1.1 | length 9.1
  Top Layer w0.2: FB1.2@15.725,20.3 16.225,20.8 R1.1@17.15,20.8
  Top Layer w0.25: v1(14.874,25.624) 14.874,25.582 14.844,25.552 14.844,25.506 15,25.35 J2.33@15,24.916 15,23.525 15.307,23.218 J2.32@15.307,22.466
  Top Layer w0.4: J2.32@15.307,22.466 15.307,21.543 15.725,21.125 FB1.2@15.725,20.3
  Bottom Layer w0.25: v1(14.874,25.624) 14.965,25.715 14.965,26.065 C5.2@15,26.1
  Bottom Layer w0.4: C6.2@13.75,26.05 14.95,26.05 C5.2@15,26.1
2V8_L: C11.2 C12.2 FB4.2 J3.32 J3.33 R3.1 | length 9.3
  Top Layer w0.25: C12.2@1,26.8 1.3,26.5 v1(1.3,25.7) 1.328,25.7 J3.33@2.112,24.916 2.112,24.741 1.911,24.539 1.911,23.904 2.571,23.243 2.571,22.792 2.42,22.641 J3.32@2.42,22.466 2.42,22.205 3.2,21.424 R3.1@3.2,21.275
  Top Layer w0.4: R3.1@3.2,21.275 3.2,20.75 FB4.2@4.25,19.7
  Bottom Layer w0.3: v1@1.32,25.72 1.32,26.12 C11.2@1.4,26.2
2V8_R: C27.2 C28.2 FB7.2 J9.32 J9.33 R47.1 | length 10.6
  Top Layer w0.2: R47.1@47.7,21.35 47.7,21.75 48.416,22.466 J9.32@48.62,22.466
  Top Layer w0.25: J9.33@48.312,24.916 48.312,23.638 48.62,23.33 J9.32@48.62,22.466
  Bottom Layer w0.3: FB7.2@47.5,29.05 47.4,29.05 46.9,28.55 46.9,28.45 46.4,27.95 46.4,26.804 46.525,26.679 46.525,26.675 46.95,26.25 46.95,26 47.15,25.8 C28.2@47.25,25.8 47.35,25.8 47.55,25.6 47.55,25.5 47.822,25.228 47.822,24.828 C27.2@47.9,24.75 48.305,24.345 48.305,24.12 v1(48.325,24.1)